# Altium PCB CubeSat Backplane.PcbDoc (part 2 of 4)
Units mm, origin at the board's own origin, x right, y up, seen from the top; angles counter-clockwise.
Board outline 79 x 138 mm, 6 copper layers (Top Layer, H1-ODD, H1-EVEN, H2-ODD, H2-EVEN, Bottom Layer), stack 1.576 mm thick; 61 components, 140 nets, 1310 pads, 1091 vias.
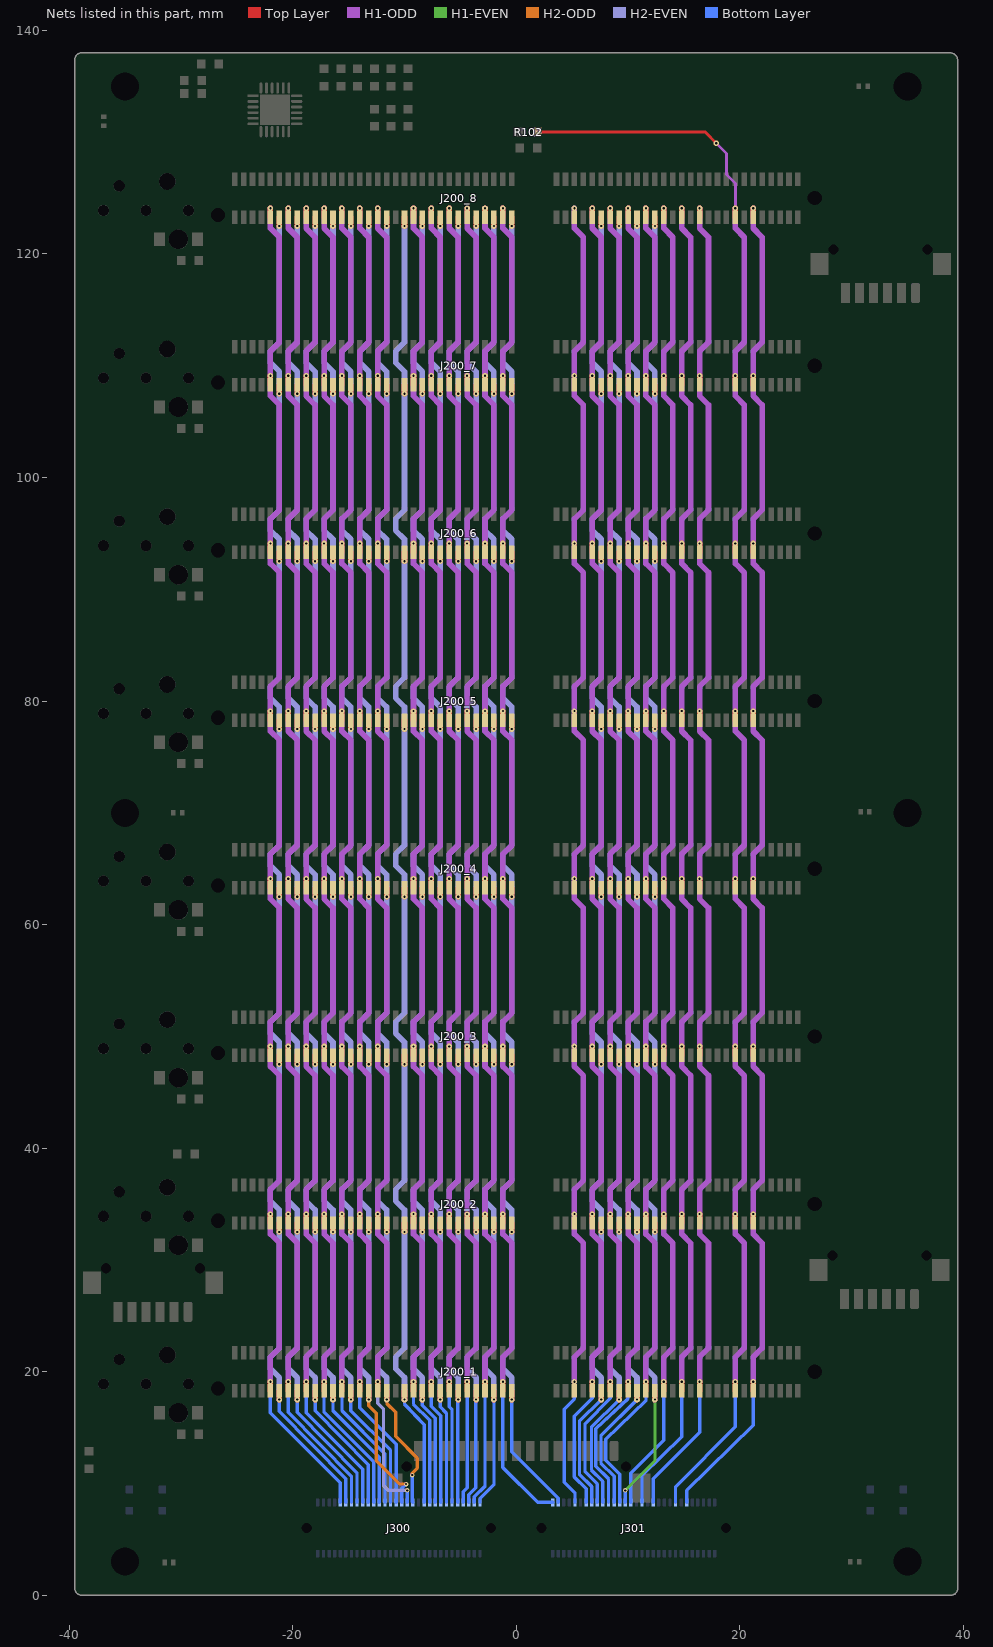
[diagram p6: the nets of this part, all layers, seen from the top]

## Via types
v1: diameter 0.5, hole 0.2, Top Layer to Bottom Layer, tented both sides, 1022 vias
v2: diameter 0.4, hole 0.2, Top Layer to Bottom Layer, tented both sides, 65 vias
v3: diameter 0.6, hole 0.3, Top Layer to Bottom Layer, tented both sides, 3 vias
v4: diameter 0.762, hole 0.406, Top Layer to Bottom Layer, tented both sides, 1 vias

## Nets (pads, with @x,y where several pads share a name; then routed paths per layer and width w, separated by ;. In a path a pad name is that pad's centre, name@x,y a point inside that pad or via, vN(x,y) a via of type N, cw(c..) or ccw(c..) an arc to the next point about the centre after c; other vN are vias at no path point) (continued)
BOT_ROW.H1-1: J200_1.9 J200_2.9 J200_3.9 J200_4.9 J200_5.9 J200_6.9 J200_7.9 J200_8.9 J300.9 | length 150.5
  Top Layer w0.5: J200_1.9@-22,18.3 v1(-22,19.1) ; J200_2.9@-22,33.3 v1(-22,34.1) ; J200_3.9@-22,48.3 v1(-22,49.1) ; J200_4.9@-22,63.3 v1(-22,64.1) ; J200_5.9@-22,78.3 v1(-22,79.1) ; J200_6.9@-22,93.299 v1(-22,94.099) ; J200_7.9@-22,108.299 v1(-22,109.099) ; J200_8.9@-22,123.299 v1(-22,124.099)
  H1-ODD w0.5: v1(-22,19.1) -22,21.3 -21.2,22.1 -21.2,31.5 -22,32.3 v1(-22,34.1) -22,36.3 -21.2,37.1 -21.2,46.5 -22,47.3 -22,51.3 -21.2,52.1 -21.2,61.5 -22,62.3 v1(-22,64.1) -22,66.3 ; v1(-22,124.099) -22,122.299 -21.2,121.499 -21.2,112.099 -22,111.299 v1(-22,109.099) -22,107.299 -21.2,106.499 -21.2,97.099 -22,96.299 v1(-22,94.099) -22,92.299 -21.2,91.499 -21.2,82.125 -21.225,82.1 -21.225,82.075 -22,81.3 v1(-22,79.1) -22,77.3 ; -22,66.3 -21.2,67.1 ; -22,66.3 -21.2,67.1 ; -22,77.3 -21.2,76.5 ; -22,77.3 -21.2,76.5 ; -21.2,67.1 -21.2,76.5 ; -21.2,67.1 -21.2,76.5 ; -21.2,67.1 -21.2,76.5
  Bottom Layer w0.3: v1(-22,19.1) -22,16.325 -15.75,10.075 J300.9@-15.75,8.3
BOT_ROW.H1-3: J200_1.13 J200_2.13 J200_3.13 J200_4.13 J200_5.13 J200_6.13 J200_7.13 J200_8.13 J300.13 | length 138.5
  Top Layer w0.5: J200_3.13@-20.4,48.3 v1(-20.4,49.1) ; J200_1.13@-20.4,18.3 v1(-20.4,19.1) ; J200_2.13@-20.4,33.3 v1(-20.4,34.1) ; J200_4.13@-20.4,63.3 v1(-20.4,64.1) ; J200_5.13@-20.4,78.3 v1(-20.4,79.1) ; J200_6.13@-20.4,93.299 v1(-20.4,94.099) ; J200_7.13@-20.4,108.299 v1(-20.4,109.099) ; J200_8.13@-20.4,123.299 v1(-20.4,124.099)
  H1-ODD w0.5: v1(-20.4,124.099) -20.4,122.299 -19.6,121.499 -19.6,112.099 -20.4,111.299 v1(-20.4,109.099) -20.4,107.299 -19.6,106.499 -19.6,97.099 -20.4,96.299 v1(-20.4,94.099) -20.4,92.299 -19.6,91.499 ; v1(-20.4,19.1) -20.4,21.3 -19.6,22.1 -19.6,31.5 -20.4,32.3 v1(-20.4,34.1) -20.4,36.3 -19.6,37.1 -19.6,46.5 -20.4,47.3 -20.4,51.3 -19.6,52.1 -19.6,61.5 -20.4,62.3 v1(-20.4,64.1) -20.4,66.3 -19.6,67.1 ; -19.6,91.499 -19.6,82.1 -20.4,81.3 v1(-20.4,79.1) -20.4,77.3 -19.6,76.5 ; -19.6,67.1 -19.6,76.5 ; -19.6,67.1 -19.6,76.5
  Bottom Layer w0.3: v1(-20.4,19.1) -20.4,16.378 -14.75,10.628 J300.13@-14.75,8.3
BOT_ROW.H1-5: J200_1.17 J200_2.17 J200_3.17 J200_4.17 J200_5.17 J200_6.17 J200_7.17 J200_8.17 J300.17 | length 138.3
  Top Layer w0.5: J200_3.17@-18.8,48.3 v1(-18.8,49.1) ; J200_6.17@-18.8,93.299 v1(-18.8,94.099) ; J200_7.17@-18.8,108.299 v1(-18.8,109.099) ; J200_8.17@-18.8,123.299 v1(-18.8,124.099) ; J200_1.17@-18.8,18.3 v1(-18.8,19.1) ; J200_2.17@-18.8,33.3 v1(-18.8,34.1) ; J200_4.17@-18.8,63.3 v1(-18.8,64.1) ; J200_5.17@-18.8,78.3 v1(-18.8,79.1)
  H1-ODD w0.5: v1(-18.8,19.1) -18.8,21.3 -18,22.1 -18,31.5 -18.8,32.3 v1(-18.8,34.1) -18.8,36.3 -18,37.1 -18,46.5 -18.8,47.3 -18.8,51.3 -18,52.1 -18,61.5 -18.8,62.3 v1(-18.8,64.1) -18.8,66.3 -18,67.1 ; v1(-18.8,124.099) -18.8,122.299 -18,121.499 -18,112.099 -18.8,111.299 v1(-18.8,109.099) -18.8,107.299 -18,106.499 -18,97.099 -18.8,96.299 v1(-18.8,94.099) -18.8,92.299 -18,91.499 -18,82.1 -18.8,81.3 v1(-18.8,79.1) -18.8,77.3 -18,76.5 ; -18,67.1 -18,76.5 ; -18,67.1 -18,76.5
  Bottom Layer w0.3: v1(-18.8,19.1) -18.8,16.325 -13.75,11.275 J300.17@-13.75,8.3
BOT_ROW.H1-7: J200_1.21 J200_2.21 J200_3.21 J200_4.21 J200_5.21 J200_6.21 J200_7.21 J200_8.21 J300.21 | length 149.7
  Top Layer w0.5: J200_1.21@-17.2,18.3 v1(-17.2,19.1) ; J200_2.21@-17.2,33.3 v1(-17.2,34.1) ; J200_3.21@-17.2,48.3 v1(-17.2,49.1) ; J200_4.21@-17.2,63.3 v1(-17.2,64.1) ; J200_5.21@-17.2,78.3 v1(-17.2,79.1) ; J200_6.21@-17.2,93.299 v1(-17.2,94.099) ; J200_7.21@-17.2,108.299 v1(-17.2,109.099) ; J200_8.21@-17.2,123.299 v1(-17.2,124.099)
  H1-ODD w0.5: v1(-17.2,19.1) -17.2,21.3 -16.4,22.1 -16.4,31.5 -17.2,32.3 v1(-17.2,34.1) -17.2,36.3 -16.4,37.1 -16.4,46.5 -17.2,47.3 -17.2,51.3 -16.4,52.1 -16.4,61.5 -17.2,62.3 v1(-17.2,64.1) -17.2,66.3 ; v1(-17.2,124.099) -17.2,122.299 -16.4,121.499 -16.4,112.099 -17.2,111.299 v1(-17.2,109.099) -17.2,107.299 -16.4,106.499 -16.4,97.099 -17.2,96.299 v1(-17.2,94.099) -17.2,92.299 -16.4,91.499 -16.4,82.1 -17.2,81.3 v1(-17.2,79.1) -17.2,77.3 ; -17.2,66.3 -16.4,67.1 ; -17.2,66.3 -16.4,67.1 ; -17.2,77.3 -16.4,76.5 ; -17.2,77.3 -16.4,76.5 ; -16.4,67.1 -16.4,76.5 ; -16.4,67.1 -16.4,76.5 ; -16.4,67.1 -16.4,76.5
  Bottom Layer w0.3: v1(-17.2,19.1) -17.2,16.375 -12.75,11.925 J300.21@-12.75,8.3
BOT_ROW.H1-9: J200_1.25 J200_2.25 J200_3.25 J200_4.25 J200_5.25 J200_6.25 J200_7.25 J200_8.25 J300.25 | length 137.8
  Top Layer w0.5: J200_1.25@-15.6,18.3 v1(-15.6,19.1) ; J200_2.25@-15.6,33.3 v1(-15.6,34.1) ; J200_3.25@-15.6,48.3 v1(-15.6,49.1) ; J200_4.25@-15.6,63.3 v1(-15.6,64.1) ; J200_5.25@-15.6,78.3 v1(-15.6,79.1) ; J200_6.25@-15.6,93.299 v1@-15.6,94.099 ; J200_7.25@-15.6,108.299 v1@-15.6,109.099 ; J200_8.25@-15.6,123.299 v1@-15.6,124.099
  H1-ODD w0.5: v1(-15.6,19.1) -15.6,21.3 -14.8,22.1 -14.8,31.5 -15.6,32.3 v1(-15.6,34.1) -15.6,36.3 -14.8,37.1 -14.8,46.5 -15.6,47.3 -15.6,51.3 -14.8,52.1 -14.8,61.5 -15.6,62.3 v1(-15.6,64.1) -15.6,66.3 -14.8,67.1 ; v1(-15.6,124.099) -15.6,122.299 -14.8,121.499 -14.8,112.099 -15.6,111.299 v1(-15.6,109.099) -15.6,107.299 -14.8,106.499 -14.8,97.099 -15.6,96.299 v1(-15.6,94.099) -15.6,92.299 -14.8,91.499 -14.8,82.1 -15.6,81.3 v1(-15.6,79.1) -15.6,77.3 -14.8,76.5 ; -14.8,67.1 -14.8,76.5 ; -14.8,67.1 -14.8,76.5
  Bottom Layer w0.3: v1(-15.6,19.1) -15.6,16.525 -11.75,12.675 J300.25@-11.75,8.3
BOT_ROW.H1-11: J200_1.29 J200_2.29 J200_3.29 J200_4.29 J200_5.29 J200_6.29 J200_7.29 J200_8.29 J300.29 | length 137.6
  Top Layer w0.5: J200_1.29@-14,18.3 v1@-14,19.1 ; J200_2.29@-14,33.3 v1(-14,34.1) ; J200_3.29@-14,48.3 v1(-14,49.1) ; J200_4.29@-14,63.3 v1(-14,64.1) ; J200_5.29@-14,78.3 v1@-14,79.1 ; J200_6.29@-14,93.299 v1(-14,94.099) ; J200_7.29@-14,108.299 v1(-14,109.099) ; J200_8.29@-14,123.299 v1(-14,124.099)
  H1-ODD w0.5: v1(-14,19.1) -14,21.3 -13.2,22.1 -13.2,31.5 -14,32.3 v1(-14,34.1) -14,36.3 -13.2,37.1 -13.2,46.5 -14,47.3 -14,51.3 -13.2,52.1 -13.2,61.5 -14,62.3 v1(-14,64.1) -14,66.3 -13.2,67.1 ; v1(-14,124.099) -14,122.299 -13.2,121.499 -13.2,112.099 -14,111.299 v1(-14,109.099) -14,107.299 -13.2,106.499 -13.2,97.099 -14,96.299 v1(-14,94.099) -14,92.299 -13.2,91.499 -13.2,82.1 -14,81.3 v1(-14,79.1) -14,77.3 -13.2,76.5 ; -13.2,67.1 -13.2,76.5 ; -13.2,67.1 -13.2,76.5
  Bottom Layer w0.3: v1(-14,19.1) -14,16.75 -10.75,13.5 J300.29@-10.75,8.3
BOT_ROW.H1-13: J200_1.33 J200_2.33 J200_3.33 J200_4.33 J200_5.33 J200_6.33 J200_7.33 J200_8.33 J300.33 | length 128.9
  Top Layer w0.5: J200_1.33@-12.4,18.3 v1(-12.4,19.1) ; J200_2.33@-12.4,33.3 v1(-12.4,34.1) ; J200_3.33@-12.4,48.3 v1(-12.4,49.1) ; J200_4.33@-12.4,63.3 v1(-12.4,64.1) ; J200_5.33@-12.4,78.3 v1(-12.4,79.1) ; J200_6.33@-12.4,93.299 v1(-12.4,94.099) ; J200_7.33@-12.4,108.299 v1(-12.4,109.099) ; J200_8.33@-12.4,123.299 v1(-12.4,124.099)
  H1-ODD w0.5: v1(-12.4,19.1) -12.4,21.3 -11.6,22.1 -11.6,31.5 -12.4,32.3 -12.4,36.3 -11.6,37.1 -11.6,46.5 -12.4,47.3 -12.4,51.3 -11.6,52.1 -11.6,61.5 -12.4,62.3 -12.4,66.3 -11.6,67.1 -11.6,76.5 -12.4,77.3 -12.4,81.3 -11.6,82.1 -11.6,91.499 -12.4,92.299 -12.4,96.299 -11.6,97.099 -11.6,106.499 -12.4,107.299 -12.4,111.299 -11.6,112.099 -11.6,121.499 -12.4,122.299 v1(-12.4,124.099)
  H2-EVEN w0.3: v1(-12.4,19.1) -12.4,17.175 -11.875,16.65 -11.875,9.775 -11.475,9.375 v2(-9.75,9.375)
  Bottom Layer w0.3: J300.33@-9.75,8.3 v2(-9.75,9.375)
BOT_ROW.H1-17: J200_1.41 J200_2.41 J200_3.41 J200_4.41 J200_5.41 J200_6.41 J200_7.41 J200_8.41 J300.41 | length 136.8
  Top Layer w0.5: J200_3.41@-9.2,48.3 v1(-9.2,49.1) ; J200_6.41@-9.2,93.299 v1(-9.2,94.099) ; J200_7.41@-9.2,108.299 v1(-9.2,109.099) ; J200_8.41@-9.2,123.299 v1(-9.2,124.099) ; J200_1.41@-9.2,18.3 v1(-9.2,19.1) ; J200_2.41@-9.2,33.3 v1(-9.2,34.1) ; J200_4.41@-9.2,63.3 v1(-9.2,64.1) ; J200_5.41@-9.2,78.3 v1(-9.2,79.1)
  H1-ODD w0.5: v1(-9.2,19.1) -9.2,21.3 -8.4,22.1 -8.4,31.5 -9.2,32.3 v1(-9.2,34.1) -9.2,36.3 -8.4,37.1 -8.4,46.5 -9.2,47.3 -9.2,51.3 -8.4,52.1 -8.4,61.5 -9.2,62.3 v1(-9.2,64.1) -9.2,66.3 -8.4,67.1 ; v1(-9.2,124.099) -9.2,122.299 -8.4,121.499 -8.4,112.099 -9.2,111.299 v1(-9.2,109.099) -9.2,107.299 -8.4,106.499 -8.4,97.099 -9.2,96.299 v1(-9.2,94.099) -9.2,92.299 -8.4,91.499 -8.4,82.1 -9.2,81.3 v1(-9.2,79.1) -9.2,77.3 -8.4,76.5 ; -8.4,67.1 -8.4,76.5 ; -8.4,67.1 -8.4,76.5
  Bottom Layer w0.3: v1(-9.2,19.1) -9.2,17.1 -7.75,15.65 J300.41@-7.75,8.3
BOT_ROW.H1-19: J200_1.45 J200_2.45 J200_3.45 J200_4.45 J200_5.45 J200_6.45 J200_7.45 J200_8.45 J300.45 | length 136.6
  Top Layer w0.5: J200_1.45@-7.6,18.3 v1(-7.6,19.1) ; J200_2.45@-7.6,33.3 v1(-7.6,34.1) ; J200_3.45@-7.6,48.3 v1(-7.6,49.1) ; J200_4.45@-7.6,63.3 v1(-7.6,64.1) ; J200_5.45@-7.6,78.3 v1(-7.6,79.1) ; J200_6.45@-7.6,93.299 v1(-7.6,94.099) ; J200_7.45@-7.6,108.299 v1(-7.6,109.099) ; J200_8.45@-7.6,123.299 v1(-7.6,124.099)
  H1-ODD w0.5: v1(-7.6,19.1) -7.6,21.3 -6.8,22.1 -6.8,31.5 -7.6,32.3 v1(-7.6,34.1) -7.6,36.3 -6.8,37.1 -6.8,46.5 -7.6,47.3 -7.6,51.3 -6.8,52.1 -6.8,61.5 -7.6,62.3 v1(-7.6,64.1) -7.6,66.3 -6.8,67.1 ; v1(-7.6,124.099) -7.6,122.299 -6.8,121.499 -6.8,112.099 -7.6,111.299 v1(-7.6,109.099) -7.6,107.299 -6.8,106.499 -6.8,97.099 -7.6,96.299 v1(-7.6,94.099) -7.6,92.299 -6.8,91.499 -6.8,82.1 -7.6,81.3 v1(-7.6,79.1) -7.6,77.3 -6.8,76.5 ; -6.8,67.1 -6.8,76.5 ; -6.8,67.1 -6.8,76.5
  Bottom Layer w0.3: v1(-7.6,19.1) -7.6,16.9 -6.75,16.05 J300.45@-6.75,8.3
BOT_ROW.H1-21: J200_1.49 J200_2.49 J200_3.49 J200_4.49 J200_5.49 J200_6.49 J200_7.49 J200_8.49 J300.49 | length 148
  Top Layer w0.5: J200_1.49@-6,18.3 v1(-6,19.1) ; J200_2.49@-6,33.3 v1(-6,34.1) ; J200_3.49@-6,48.3 v1(-6,49.1) ; J200_4.49@-6,63.3 v1(-6,64.1) ; J200_5.49@-6,78.3 v1(-6,79.1) ; J200_6.49@-6,93.299 v1(-6,94.099) ; J200_7.49@-6,108.299 v1(-6,109.099) ; J200_8.49@-6,123.299 v1(-6,124.099)
  H1-ODD w0.5: v1(-6,19.1) -6,21.3 -5.2,22.1 -5.2,31.5 -6,32.3 v1(-6,34.1) -6,36.3 -5.2,37.1 -5.2,46.5 -6,47.3 -6,51.3 -5.2,52.1 -5.2,61.5 -6,62.3 v1(-6,64.1) -6,66.3 ; v1(-6,124.099) -6,122.299 -5.2,121.499 -5.2,112.099 -6,111.299 v1(-6,109.099) -6,107.299 -5.2,106.499 -5.2,97.099 -6,96.299 v1(-6,94.099) -6,92.299 -5.2,91.499 -5.2,82.1 -6,81.3 v1(-6,79.1) -6,77.3 ; -6,66.3 -5.2,67.1 ; -6,66.3 -5.2,67.1 ; -6,77.3 -5.2,76.5 ; -6,77.3 -5.2,76.5 ; -5.2,67.1 -5.2,76.5 ; -5.2,67.1 -5.2,76.5 ; -5.2,67.1 -5.2,76.5
  Bottom Layer w0.3: v1(-6,19.1) -6,16.85 -5.75,16.6 J300.49@-5.75,8.3
BOT_ROW.H1-23: J200_1.53 J200_2.53 J200_3.53 J200_4.53 J200_5.53 J200_6.53 J200_7.53 J200_8.53 J300.53 | length 136.4
  Top Layer w0.5: J200_1.53@-4.4,18.3 v1(-4.4,19.1) ; J200_2.53@-4.4,33.3 v1(-4.4,34.1) ; J200_3.53@-4.4,48.3 v1(-4.4,49.1) ; J200_4.53@-4.4,63.3 v1(-4.4,64.1) ; J200_5.53@-4.4,78.3 v1(-4.4,79.1) ; J200_6.53@-4.4,93.299 v1(-4.4,94.099) ; J200_7.53@-4.4,108.299 v1(-4.4,109.099) ; J200_8.53@-4.4,123.299 v1(-4.4,124.099)
  H1-ODD w0.5: v1(-4.4,19.1) -4.4,21.3 -3.6,22.1 -3.6,31.5 -4.4,32.3 v1(-4.4,34.1) -4.4,36.3 -3.6,37.1 -3.6,46.5 -4.4,47.3 -4.4,51.3 -3.6,52.1 -3.6,61.5 -4.4,62.3 v1(-4.4,64.1) -4.4,66.3 -3.6,67.1 ; v1(-4.4,124.099) -4.4,122.299 -3.6,121.499 -3.6,112.099 -4.4,111.299 v1(-4.4,109.099) -4.4,107.299 -3.6,106.499 -3.6,97.099 -4.4,96.299 v1(-4.4,94.099) -4.4,92.299 -3.6,91.499 -3.6,82.1 -4.4,81.3 v1(-4.4,79.1) -4.4,77.3 -3.6,76.5 ; -3.6,67.1 -3.6,76.5 ; -3.6,67.1 -3.6,76.5
  Bottom Layer w0.3: J300.53@-4.75,8.3 -4.75,9.25 -4.4,9.6 v1(-4.4,19.1)
BOT_ROW.H1-25: J200_1.57 J200_2.57 J200_3.57 J200_4.57 J200_5.57 J200_6.57 J200_7.57 J200_8.57 J300.57 | length 136.6
  Top Layer w0.5: J200_1.57@-2.8,18.3 v1(-2.8,19.1) ; J200_2.57@-2.8,33.3 v1(-2.8,34.1) ; J200_3.57@-2.8,48.3 v1(-2.8,49.1) ; J200_4.57@-2.8,63.3 v1(-2.8,64.1) ; J200_5.57@-2.8,78.3 v1(-2.8,79.1) ; J200_6.57@-2.8,93.299 v1(-2.8,94.099) ; J200_7.57@-2.8,108.299 v1(-2.8,109.099) ; J200_8.57@-2.8,123.299 v1(-2.8,124.099)
  H1-ODD w0.5: v1(-2.8,19.1) -2.8,21.3 -2,22.1 -2,31.5 -2.8,32.3 v1(-2.8,34.1) -2.8,36.3 -2,37.1 -2,46.5 -2.8,47.3 -2.8,51.3 -2,52.1 -2,61.5 -2.8,62.3 v1(-2.8,64.1) -2.8,66.3 -2,67.1 ; v1(-2.8,124.099) -2.8,122.299 -2,121.499 -2,112.099 -2.8,111.299 v1(-2.8,109.099) -2.8,107.299 -2,106.499 -2,97.099 -2.8,96.299 v1(-2.8,94.099) -2.8,92.299 -2,91.499 -2,82.1 -2.8,81.3 v1(-2.8,79.1) -2.8,77.3 -2,76.5 ; -2,67.1 -2,76.5 ; -2,67.1 -2,76.5
  Bottom Layer w0.3: J300.57@-3.75,8.3 -3.75,8.8 -2.8,9.75 v1(-2.8,19.1)
BOT_ROW.H1-27: J200_1.61 J200_2.61 J200_3.61 J200_4.61 J200_5.61 J200_6.61 J200_7.61 J200_8.61 J301.1 | length 150.5
  Top Layer w0.5: J200_1.61@-1.2,18.3 v1(-1.2,19.1) ; J200_2.61@-1.2,33.3 v1(-1.2,34.1) ; J200_3.61@-1.2,48.3 v1(-1.2,49.1) ; J200_4.61@-1.2,63.3 v1(-1.2,64.1) ; J200_5.61@-1.2,78.3 v1(-1.2,79.1) ; J200_6.61@-1.2,93.299 v1(-1.2,94.099) ; J200_7.61@-1.2,108.299 v1(-1.2,109.099) ; J200_8.61@-1.2,123.299 v1(-1.2,124.099)
  H1-ODD w0.5: v1(-1.2,19.1) -1.2,21.3 -0.4,22.1 -0.4,31.5 -1.2,32.3 v1(-1.2,34.1) -1.2,36.3 -0.4,37.1 -0.4,46.5 -1.2,47.3 -1.2,51.3 -0.4,52.1 -0.4,61.5 -1.2,62.3 v1(-1.2,64.1) -1.2,66.3 ; v1(-1.2,124.099) -1.2,122.299 -0.4,121.499 -0.4,112.099 -1.2,111.299 v1(-1.2,109.099) -1.2,107.299 -0.4,106.499 -0.4,97.099 -1.2,96.299 v1(-1.2,94.099) -1.2,92.299 -0.4,91.499 ; -0.4,91.499 -0.4,82.125 -0.4,82.1 -1.2,81.3 v1(-1.2,79.1) -1.2,77.3 ; -1.2,66.3 -0.4,67.1 ; -1.2,66.3 -0.4,67.1 ; -1.2,77.3 -0.4,76.5 ; -1.2,77.3 -0.4,76.5 ; -0.4,67.1 -0.4,76.5 ; -0.4,67.1 -0.4,76.5 ; -0.4,67.1 -0.4,76.5
  Bottom Layer w0.3: v1(-1.2,19.1) -1.2,11.425 1.925,8.3 J301.1@3.25,8.3
BOT_ROW.H1-31: J200_1.69 J200_2.69 J200_3.69 J200_4.69 J200_5.69 J200_6.69 J200_7.69 J200_8.69 J301.9 | length 121.2
  H1-ODD w0.5: v1(5.2,19.1) 5.2,21.3 6,22.1 6,31.5 5.2,32.3 v1(5.2,34.1) 5.2,36.3 6,37.1 6,46.5 5.2,47.3 v1(5.2,49.1) 5.2,51.3 6,52.1 6,61.5 5.2,62.3 v1(5.2,64.1) 5.2,66.3 6,67.1 6,76.5 5.2,77.3 v1(5.2,79.1) 5.2,81.3 6,82.1 6,91.499 5.2,92.299 v1(5.2,94.099) 5.2,96.299 6,97.099 6,106.499 5.2,107.299 v1(5.2,109.099) 5.2,111.299 6,112.099 6,121.499 5.2,122.299 v1(5.2,124.099)
  Bottom Layer w0.3: v1(5.2,19.1) 5.2,17.55 4.3,16.65 4.3,10.1 5.25,9.15 J301.9@5.25,8.3
BOT_ROW.H1-33: J200_1.73 J200_2.73 J200_3.73 J200_4.73 J200_5.73 J200_6.73 J200_7.73 J200_8.73 J301.13 | length 127.9
  Top Layer w0.5: J200_1.73@6.8,18.3 v1(6.8,19.1) ; J200_2.73@6.8,33.3 v1@6.8,34.1 ; J200_3.73@6.8,48.3 v1(6.8,49.1) ; J200_4.73@6.8,63.3 v1@6.8,64.1 ; J200_5.73@6.8,78.3 v1(6.8,79.1) ; J200_6.73@6.8,93.299 v1(6.8,94.099) ; J200_7.73@6.8,108.299 v1(6.8,109.099) ; J200_8.73@6.8,123.299 v1(6.8,124.099)
  H1-ODD w0.5: v1(6.8,19.1) 6.8,21.3 7.6,22.1 7.6,31.5 6.8,32.3 v1(6.8,34.1) 6.8,36.3 7.6,37.1 7.6,46.5 6.8,47.3 6.8,51.3 7.6,52.1 7.6,61.5 6.8,62.3 v1(6.8,64.1) 6.8,66.3 7.6,67.1 7.6,76.5 6.8,77.3 v1(6.8,79.1) 6.8,81.3 7.6,82.1 7.6,91.499 6.8,92.299 v1(6.8,94.099) 6.8,96.299 7.6,97.099 7.6,106.499 6.8,107.299 v1(6.8,109.099) 6.8,111.299 7.6,112.099 7.6,121.499 6.8,122.299 v1(6.8,124.099)
  Bottom Layer w0.3: J301.13@6.25,8.3 6.25,9.525 5.2,10.575 5.2,16.028 6.8,17.628 v1(6.8,19.1)
BOT_ROW.H1-35: J200_1.77 J200_2.77 J200_3.77 J200_4.77 J200_5.77 J200_6.77 J200_7.77 J200_8.77 J301.17 | length 128.2
  Top Layer w0.5: J200_1.77@8.4,18.3 v1(8.4,19.1) ; J200_2.77@8.4,33.3 v1(8.4,34.1) ; J200_3.77@8.4,48.3 v1(8.4,49.1) ; J200_4.77@8.4,63.3 v1(8.4,64.1) ; J200_5.77@8.4,78.3 v1(8.4,79.1) ; J200_6.77@8.4,93.299 v1(8.4,94.099) ; J200_7.77@8.4,108.299 v1(8.4,109.099) ; J200_8.77@8.4,123.299 v1(8.4,124.099)
  H1-ODD w0.5: v1(8.4,19.1) 8.4,21.3 9.2,22.1 9.2,31.5 8.4,32.3 v1(8.4,34.1) 8.4,36.3 9.2,37.1 9.2,46.5 8.4,47.3 8.4,51.3 9.2,52.1 9.2,61.5 8.4,62.3 v1(8.4,64.1) 8.4,66.3 9.2,67.1 9.2,76.5 8.4,77.3 v1(8.4,79.1) 8.4,81.3 9.125,82.025 9.125,82.05 9.2,82.125 9.2,91.499 8.4,92.299 v1(8.4,94.099) 8.4,96.299 9.2,97.099 9.2,106.499 8.4,107.299 v1(8.4,109.099) 8.4,111.299 9.2,112.099 9.2,121.499 8.4,122.299 v1(8.4,124.099)
  Bottom Layer w0.3: J301.17@7.25,8.3 7.25,9.95 6.15,11.05 6.15,15.35 8.4,17.6 v1(8.4,19.1)
BOT_ROW.H1-37: J200_1.81 J200_2.81 J200_3.81 J200_4.81 J200_5.81 J200_6.81 J200_7.81 J200_8.81 J301.21 | length 128.5
  Top Layer w0.5: J200_3.81@10,48.3 v1(10,49.1) ; J200_1.81@10,18.3 v1(10,19.1) ; J200_2.81@10,33.3 v1(10,34.1) ; J200_4.81@10,63.3 v1(10,64.1) ; J200_5.81@10,78.3 v1(10,79.1) ; J200_6.81@10,93.299 v1(10,94.099) ; J200_7.81@10,108.299 v1(10,109.099) ; J200_8.81@10,123.299 v1(10,124.099)
  H1-ODD w0.5: v1(10,124.099) 10,122.299 10.8,121.499 10.8,112.099 10,111.299 v1(10,109.099) 10,107.299 10.8,106.499 10.8,97.099 10,96.299 v1(10,94.099) 10,92.299 10.8,91.499 ; v1(10,19.1) 10,21.3 10.8,22.1 10.8,31.5 10,32.3 v1(10,34.1) 10,36.3 10.8,37.1 10.8,46.5 10,47.3 10,51.3 10.8,52.1 10.8,61.5 10,62.3 v1(10,64.1) 10,66.3 10.8,67.1 10.8,76.5 10,77.3 v1(10,79.1) 10,81.3 10.8,82.1 10.8,91.499
  Bottom Layer w0.3: J301.21@8.25,8.3 8.25,10.4 7.125,11.525 7.125,14.886 10,17.597 v1(10,19.1)
BOT_ROW.H1-39: J200_1.85 J200_2.85 J200_3.85 J200_4.85 J200_5.85 J200_6.85 J200_7.85 J200_8.85 J301.25 | length 128.9
  Top Layer w0.5: J200_3.85@11.6,48.3 v1(11.6,49.1) ; J200_6.85@11.6,93.299 v1(11.6,94.099) ; J200_7.85@11.6,108.299 v1(11.6,109.099) ; J200_8.85@11.6,123.299 v1(11.6,124.099) ; J200_1.85@11.6,18.3 v1(11.6,19.1) ; J200_2.85@11.6,33.3 v1(11.6,34.1) ; J200_4.85@11.6,63.3 v1(11.6,64.1) ; J200_5.85@11.6,78.3 v1(11.6,79.1)
  H1-ODD w0.5: v1(11.6,19.1) 11.6,21.3 12.4,22.1 12.4,31.5 11.6,32.3 v1(11.6,34.1) 11.6,36.3 12.4,37.1 12.4,46.5 11.6,47.3 11.6,51.3 12.4,52.1 12.4,61.5 11.6,62.3 v1(11.6,64.1) 11.6,66.3 12.4,67.1 12.4,76.425 12.4,76.5 11.6,77.3 v1(11.6,79.1) 11.6,81.3 12.375,82.075 12.375,82.1 12.4,82.125 12.4,91.499 11.6,92.299 v1(11.6,94.099) 11.6,96.299 12.4,97.099 12.4,106.499 11.6,107.299 v1(11.6,109.099) 11.6,111.299 12.4,112.099 12.4,121.499 11.6,122.299 v1(11.6,124.099)
  Bottom Layer w0.3: J301.25@9.25,8.3 9.25,10.825 8,12.075 8,13.96 11.6,17.406 v1(11.6,19.1)
BOT_ROW.H1-41: J200_1.89 J200_2.89 J200_3.89 J200_4.89 J200_5.89 J200_6.89 J200_7.89 J200_8.89 J301.29 | length 128.1
  Top Layer w0.5: J200_1.89@13.2,18.3 v1(13.2,19.1) ; J200_2.89@13.2,33.3 v1(13.2,34.1) ; J200_3.89@13.2,48.3 v1(13.2,49.1) ; J200_4.89@13.2,63.3 v1(13.2,64.1) ; J200_5.89@13.2,78.3 v1(13.2,79.1) ; J200_6.89@13.2,93.299 v1(13.2,94.099) ; J200_7.89@13.2,108.299 v1(13.2,109.099) ; J200_8.89@13.2,123.299 v1(13.2,124.099)
  H1-ODD w0.5: v1(13.2,19.1) 13.2,21.3 14,22.1 14,31.5 13.2,32.3 13.2,36.3 14,37.1 14,46.5 13.2,47.3 13.2,51.3 14,52.1 14,61.5 13.2,62.3 13.2,66.3 14,67.1 14,76.475 14,76.5 13.2,77.3 13.2,81.3 13.975,82.075 13.975,82.1 14,82.125 14,91.499 13.2,92.299 13.2,96.299 14,97.099 14,106.499 13.2,107.299 13.2,111.299 14,112.099 14,121.499 13.2,122.299 v1(13.2,124.099)